# Altium PCB DriverPCB.PcbDoc
Units mm, origin at the board's own origin, x right, y up, seen from the top; angles counter-clockwise.
Board outline 152.4 x 172 mm, 2 copper layers (Top Layer, Bottom Layer); 68 components, 43 nets, 176 pads, 0 vias.
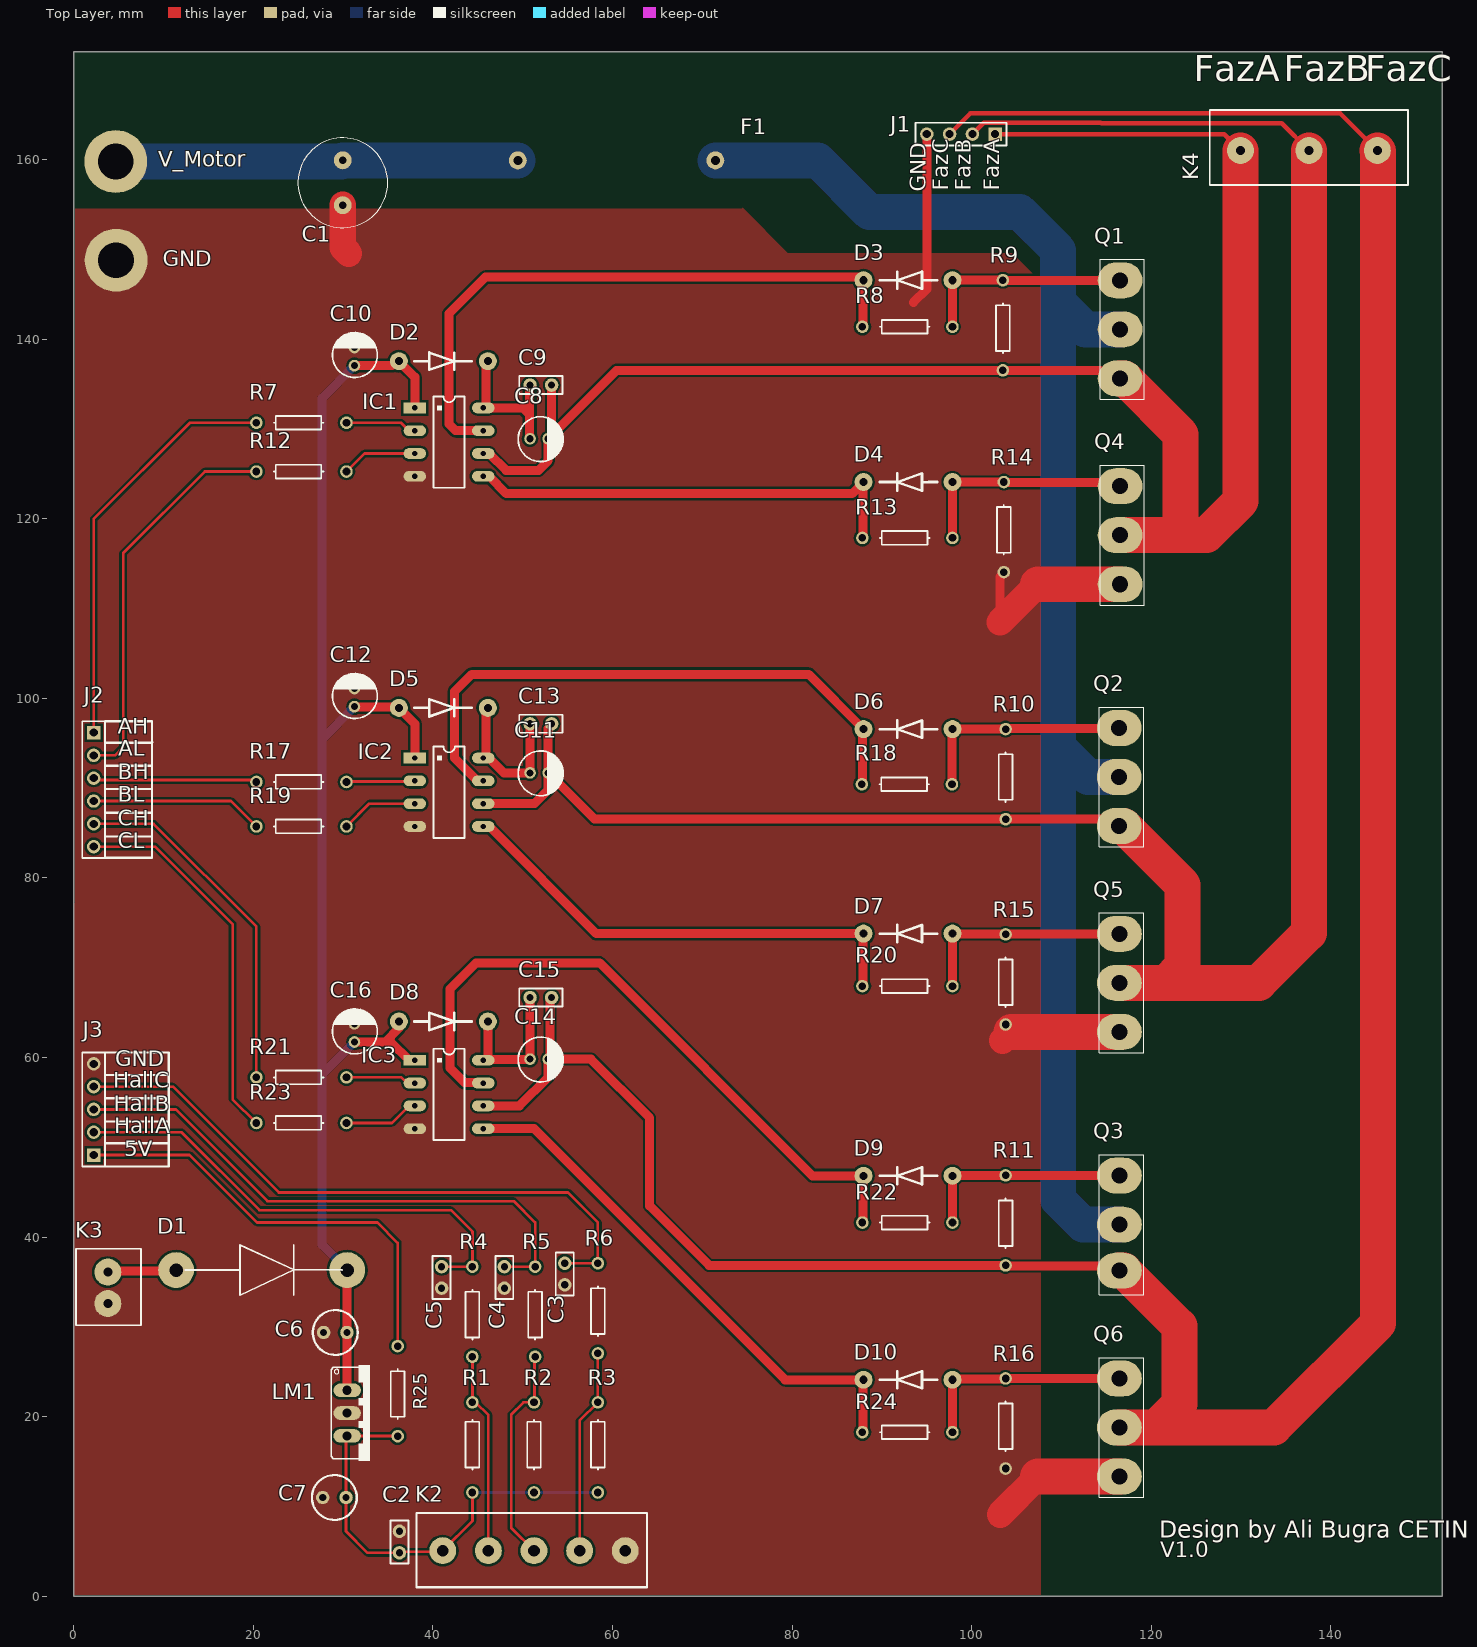
[diagram p0: Top Layer view]
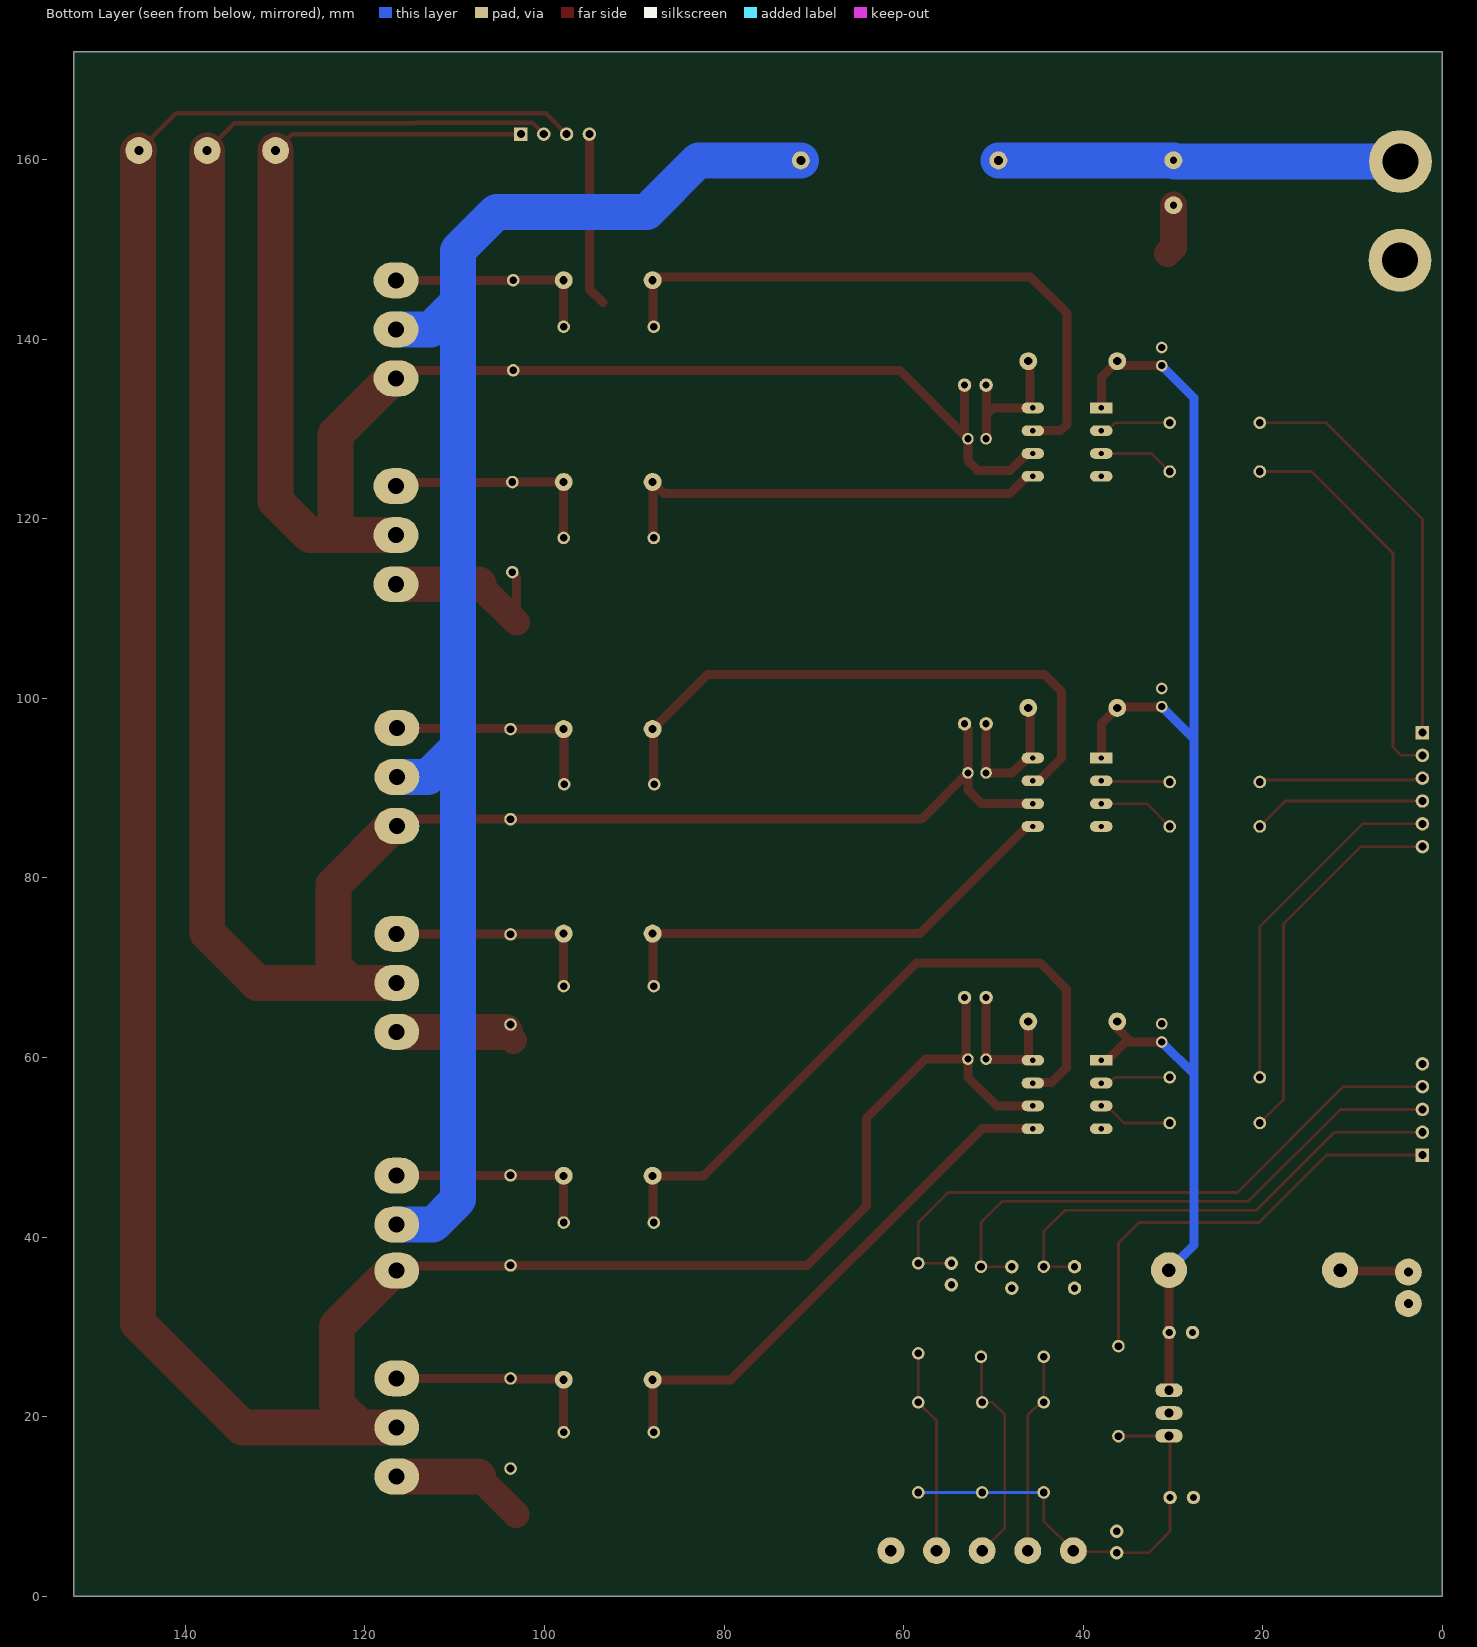
[diagram p1: Bottom Layer view, seen from below]
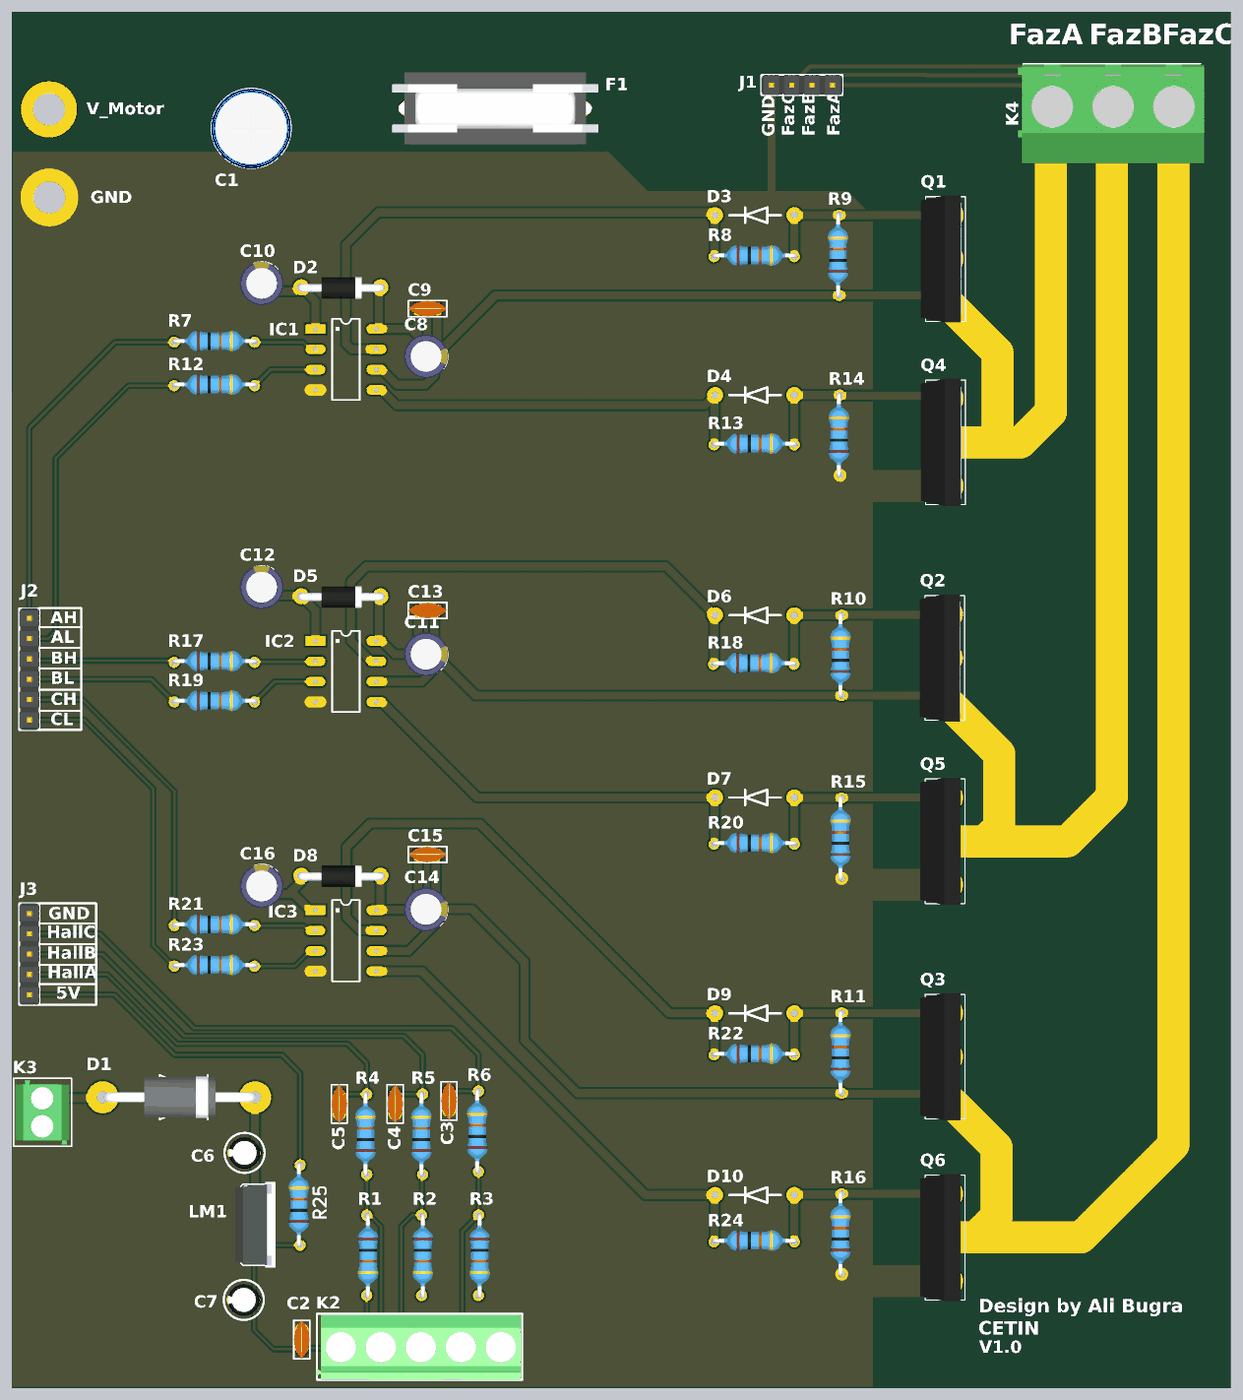
[diagram p2: 3D render of the assembled board from above, using the file's embedded part models]

## Layer stack, top to bottom
Top Solder: solder mask 0.0102, Solder Resist, Dk 3.5
Top Layer: signal copper 0.0356
Dielectric 1: dielectric 0.32, FR-4, Dk 4.8
Bottom Layer: signal copper 0.0356
Bottom Solder: solder mask 0.0102, Solder Resist, Dk 3.5

## Board outline
0.016,0.001 152.416,0.001 152.416,172 0.016,172

## Design rules (kind name [scope] priority, off if disabled: settings)
Clearance [All] p1: gap=0.254 ignorepadtopadclearanceinfootprint=FALSE except(0: Arc-Hole Track-Hole SMDPad-Hole THPad-Hole Via-Hole Fill-Hole Poly-Hole Region-Hole Text-Hole; 0.152: Arc-SMDPad Track-SMDPad; 0.2: Via-Via; 0.5: THPad-THPad)
Height [All] p1: minheight=0 maxheight=100 prefheight=80
HoleSize [All] p1: absolutevalues=TRUE maxlimit=10 minlimit=0.025 maxpercent=80.000 minpercent=20.000
PolygonConnect [All] p1: connectstyle=Direct reliefconductorwidth=0.254 reliefentries=4 polygonreliefangle="90 Angle" airgapwidth=0.254
RoutingVias [All] p1: holewidth=0.711 width=1.27 viastyle="Through Hole" minholewidth=0.711 minwidth=1.27 maxholewidth=0.711 maxwidth=1.27
SolderMaskExpansion [All] p1: expansion=0.102
Width [All] p1: maxlimit=5 minlimit=0.254 preferedwidth=0.3
28 further rules are at their usual default settings.

## Components (designator, comment, footprint, x,y, rotation, side; value= is the part's Value field where it differs from the comment)
C1 "63V 1000uF" "1000uF 10V" 29.95,157.2 r270 top
C2 "1nF" 100nF 36.27,4.84 r90 top
C3 "1nF" 100nF 54.685,37.085 r270 top
C4 "1nF" 100nF 47.954,36.704 r270 top
C5 "1nF" 100nF 40.969,36.704 r270 top
C6 "10uF 25V" "10uF 35V" 29.125,29.375 r180 top
C7 "10uF 25V" "10uF 35V" 29.025,11 r180 top
C8 "100uF 25v" "100uF 25v" 50.816,128.906 r180 top value=33uF
C9 "100nF" 100nF 50.816,134.875 r0 top
C10 "100uF 25v" "100uF 25v" 31.258,137.041 r270 top value=10uF
C11 "100uF 25v" "100uF 25v" 50.816,91.695 r180 top value=33uF
C12 "100uF 25v" "100uF 25v" 31.258,99.068 r270 top value=10uF
C13 "100nF" 100nF 50.816,97.156 r0 top
C14 "100uF 25v" "100uF 25v" 50.816,59.818 r180 top value=33uF
C15 "100nF" 100nF 50.816,66.676 r0 top
C16 "100uF 25v" "100uF 25v" 31.258,61.723 r270 top value=10uF
D1 "1N5408" 1N5408 11.4,36.325 r0 top
D2 "1N4007" 1N4007 36.973,137.542 r0 top
D3 "1N4148" 1N4148 97.855,146.556 r180 top
D4 "1N4148" 1N4148 97.855,124.08 r180 top
D5 "1N4007" 1N4007 36.973,98.934 r0 top
D6 "1N4148" 1N4148 97.855,96.565 r180 top
D7 "1N4148" 1N4148 97.855,73.793 r180 top
D8 "1N4007" 1N4007 36.973,64.009 r0 top
D9 "1N4148" 1N4148 97.855,46.823 r180 top
D10 "1N4148" 1N4148 97.855,24.11 r180 top
F1 "cam_sigorta" cam_sigorta 50.45,159.9 r0 top
IC1 "IR2101" IR2101-DIP 37.989,132.335 r0 top
IC2 "IR2101" IR2101-DIP 37.989,93.346 r0 top
IC3 "IR2101" IR2101-DIP 37.989,59.691 r0 top
J1 "Header 4x1" "HEADER 4X1" 102.615,162.825 r180 top
J2 "Header 6x1" "HEADER 6X1" 2.225,96.18 r270 top
J3 "Header 5x1" "HEADER 5X1" 2.225,49.135 r90 top
K2 "Klemens_5_5mm" KLAMENS_5_5MM 41.096,5.081 r0 top
K3 "12V_Input" KLAMENS_2_3.5MM 3.8,32.6 r90 top
K4 "Klemens_3_7.6mm" KLAMENS_3_7.6MM 129.93,161 r0 top
LM1 "LM7805" LM7805 30.45,22.94 r270 top
Q1 "IRPF460N" IRFP460N#1 116.55,146.54 r270 top
Q2 "IRPF460N" IRFP460N#1 116.45,96.695 r270 top
Q3 "IRPF460N" IRFP460N#2 116.475,46.848 r270 top
Q4 "IRPF460N" IRFP460N#1 116.55,123.62 r270 top
Q5 "IRPF460N" IRFP460N#1 116.475,73.77 r270 top
Q6 "IRPF460N" IRFP460N#1 116.475,24.258 r270 top
R1 "1K" RES_DIP 44.398,21.591 r270 top
R2 "1K" RES_DIP 51.256,21.591 r270 top
R3 "1K" RES_DIP 58.368,21.591 r270 top
R4 "1K" RES_DIP 44.398,26.671 r90 top
R5 "1K" RES_DIP 51.383,26.671 r90 top
R6 "1K" RES_DIP 58.368,27.052 r90 top
R7 "10R" RES_DIP 20.336,130.684 r0 top
R8 "10R" RES_DIP 87.822,141.375 r0 top
R9 "10K" RES_DIP 103.475,136.523 r90 top
R10 "10K" RES_DIP 103.775,86.532 r90 top
R11 "10K" RES_DIP 103.775,36.842 r90 top
R12 "10R" RES_DIP 20.336,125.25 r0 top
R13 "10R" RES_DIP 87.822,117.857 r0 top
R14 "10K" RES_DIP 103.575,114.047 r90 top
R15 "10K" RES_DIP 103.775,63.672 r90 top
R16 "10K" RES_DIP 103.775,14.225 r90 top
R17 "10R" RES_DIP 20.336,90.679 r0 top
R18 "10R" RES_DIP 87.767,90.425 r0 top
R19 "10R" RES_DIP 20.336,85.726 r0 top
R20 "10R" RES_DIP 87.822,67.951 r0 top
R21 "10R" RES_DIP 20.336,57.786 r0 top
R22 "10R" RES_DIP 87.822,41.616 r0 top
R23 "10R" RES_DIP 20.336,52.706 r0 top
R24 "10R" RES_DIP 87.822,18.268 r0 top
R25 "RES_DIP" RES_DIP 36.075,17.825 r90 top

## Footprints (in the part's own frame and the unit in brackets; to place one, negate y for a bottom-side part, rotate by r counter-clockwise, add the part's x,y. Pads: shape width x height; smd on the part's side, far side on the other; paste and mask are expansions set on the pad)
1N4007 [mm]
  round 2 hole 0.9: 1(-0.762,0) 2(9.144,0)
  silkscreen extent 0.95,-0.96 7.35,0.96, body extent -1.32,-1.43 9.7,1.27, height 2.78
1N4148 [mm]
  round 2 hole 0.9: 1(0,0) 2(9.906,0)
  silkscreen extent 1.71,-0.96 8.11,0.96, body extent -0.48,-0.73 10.14,0.98, height 2.35
1N5408 [mm]
  round 4 hole 1.5: 1(0,0) 2(19.05,0)
  silkscreen extent 1.01,-2.8 18.47,2.8, body extent 0.14,-2.57 19.16,2.57, height 5.17
"10uF 35V" [mm]
  round 1.5 hole 0.8: +(-1.3,0) -(1.3,0)
  silkscreen extent -2.5,-2.5 2.5,2.5, body extent -2,-2 1.99,2, height 13
100nF [mm]
  round 1.5 hole 0.8: 1(0,0) 2(2.4,0)
  silkscreen extent -1.2,-1 3.6,1, body extent -1.26,-1 3.66,1, height 5.46
"100uF 25v" [mm]
  round 1.3 hole 0.8: 1(0,0) 2(-2.025,0)
  silkscreen extent -3.68,-2.45 1.32,2.55, body extent -3.73,-2.74 1.75,2.74, height 3.5
"1000uF 10V" [mm]
  round 2 hole 0.8: NEG(2.292,0.009) POS(-2.708,0.009)
  Top Layer region: 2.813,0.198 2.526,0.511 2.103,0.53 1.79,0.243 1.771,-0.18 2.058,-0.493 2.481,-0.512 2.794,-0.225
  Bottom Layer region: 2.813,0.198 2.526,0.511 2.103,0.53 1.79,0.243 1.771,-0.18 2.058,-0.493 2.481,-0.512 2.794,-0.225
  Multi-Layer region: 2.813,0.198 2.526,0.511 2.103,0.53 1.79,0.243 1.771,-0.18 2.058,-0.493 2.481,-0.512 2.794,-0.225
  silkscreen extent -5.21,-4.99 4.79,5.01, body extent -5.23,-5.03 4.83,5.03, height 16.53
cam_sigorta [mm]
  round 2 hole 1: 1(-1,0) 2(21,0)
  body extent -2.9,-4.5 22.9,4.5, height 11.9
"HEADER 4X1" [mm]
  rect 1.5x1.5 hole 0.9: 1(0,0)
  round 1.5 hole 0.9: 2(2.54,0) 3(5.08,0) 4(7.62,0)
  silkscreen extent -1.27,-1.27 8.89,1.27, body extent -1.27,-1.27 8.89,1.27, height 9.5
"HEADER 5X1" [mm]
  rect 1.5x1.5 hole 0.9: 1(0,0)
  round 1.5 hole 0.9: 2(2.54,0) 3(5.08,0) 4(7.62,0) 5(10.16,0)
  silkscreen extent -1.27,-1.27 11.43,1.27, body extent -1.27,-1.27 11.43,1.27, height 9.5
"HEADER 6X1" [mm]
  rect 1.5x1.5 hole 0.9: 1(0,0)
  round 1.5 hole 0.9: 2(2.54,0) 3(5.08,0) 4(7.62,0) 5(10.16,0) 6(12.7,0)
  silkscreen extent -1.27,-1.27 13.97,1.27, body extent -1.27,-1.27 13.97,1.27, height 9.5
IR2101-DIP [mm]
  rect 2.5x1.2 hole 0.6: 1(0,0)
  oval 2.5x1.2 hole 0.6: 2(0,-2.54) 3(0,-5.08) 4(0,-7.62) 5(7.62,-7.62) 6(7.62,-5.08) 7(7.62,-2.54) 8(7.62,0)
  silkscreen extent 2.08,-8.89 5.54,1.27, body extent -1.47,-8.75 8.97,1.01, height 5.5
IRFP460N#1 [mm]
  oval 4x5 hole 1.79: 1(0,-0.025) 2(5.46,-0.025) 3(10.92,-0.025)
  silkscreen extent -2.33,-2.26 13.25,2.68, body extent -2.49,-2.92 13.41,2.18, height 25.95
IRFP460N#2 [mm]
  oval 4x5 hole 1.79: 1(0,-0.025) 2(5.46,-0.025) 3(10.59,-0.025)
  silkscreen extent -2.33,-2.26 13.25,2.68, body extent -2.49,-2.92 13.41,2.18, height 25.95
KLAMENS_2_3.5MM [mm]
  round 3 hole 1: 1(3.5,0) 2(0,0)
  silkscreen extent -2.41,-3.68 6.1,3.56, body extent -2.16,-3.43 5.84,3.37, height 8.4
KLAMENS_3_7.6MM [mm]
  round 3 hole 1: 1(0,0) 2(7.62,0) 3(15.24,0)
  silkscreen extent -3.43,-3.85 18.67,4.5, body extent -4.12,-8 19.18,4.4, height 22.5
KLAMENS_5_5MM [mm]
  round 3 hole 1.3: 1(0,0) 2(5.08,0) 3(10.16,0) 4(15.24,0) 5(20.32,0)
  silkscreen extent -2.92,-4.06 22.73,4.19, body extent -3.01,-4.06 22.56,4.09, height 10
LM7805 [mil]
  oval 60x120 hole 40: GND(100,0) IN(0,0) OUT(200,0)
  silkscreen extent -110,-70 310,100, body extent -101,-97 301,80, height 770
RES_DIP [mm]
  round 1.4 hole 0.85: 1(0,0) 2(10.033,0)
  silkscreen extent 1.93,-0.76 7.47,0.76, body extent -0.27,-1.14 10.43,1.45, height 2.69

## Part data
C1: library part "1000uF 10V"
C2 C3 C4 C5: library part 100nF
C6 C7: library part "10uF 35V"
C8 C11 C14: Manufacturer=Panasonic, Manufacturer Code=EEEHA1C01WP, Voltage=16V, Farnell Code=1973308, Unit Price="0.47 €"
C10 C12 C16: Manufacturer=Panasonic, Manufacturer Code=EEEHA1C01WP, Voltage=35V, Farnell Code=1973308, Unit Price="0.47 €"
K3: library part Klamens_2_3.5mm
R1 R2 R3 R4 R5 R6 R7 R8 R9 R10 R11 R12 R13 R14 R15 R16 R17 R18 R19 R20 R21 R22 R23 R24: library part RES_DIP
F1: =cam_sigorta

## Free pads (board coordinates)
  round 7 hole 4: 5(4.675,159.775) 5(4.725,148.775)

## Nets (pads, with @x,y where several pads share a name; then routed paths per layer and width w, separated by ;. In a path a pad name is that pad's centre, name@x,y a point inside that pad or via, vN(x,y) a via of type N, cw(c..) or ccw(c..) an arc to the next point about the centre after c; other vN are vias at no path point)
+5: C2.1 C7.+ K2.1 LM1.OUT R1.2 R2.2 R3.2 R25.1 | length 50
  Top Layer w0.3: R25.1 36.057,17.843 30.467,17.843 LM1.OUT 30.325,17.735 C7.+ 30.325,7.24 32.725,4.84 C2.1 36.391,4.961 40.976,4.961 K2.1 44.398,8.383 R1.2
  Bottom Layer w0.3: R1.2 R2.2 R3.2
+12: C6.+ C10.1 C12.1 C16.1 D1.2 D2.1 D5.1 D8.1 IC1.1 IC2.1 IC3.1 LM1.IN | length 159.9
  Top Layer w1: LM1.IN 30.438,22.952 30.438,29.362 C6.+ 30.438,29.388 30.438,36.313 D1.2 ; C16.1 34.673,61.723 ; C12.1 31.315,99.011 36.134,99.011 D5.1 37.989,97.156 IC2.1 ; C10.1 35.439,137.041 35.94,137.542 D2.1 37.989,135.764 IC1.1 ; D8.1 36.211,63.261 34.673,61.723 ; IC3.1 37.339,59.691 35.307,61.723 34.673,61.723
  Bottom Layer w1: D1.2 27.65,39.125 27.65,58.115 ; C16.1 27.65,58.115 ; C12.1 27.65,95.46 ; C10.1 27.65,133.433 27.65,95.46 ; 27.65,58.115 27.65,95.46
+VDC: F1.2 Q1.2 Q2.2 Q3.2 | length 172.3
  Bottom Layer w4: F1.2 82.85,159.9 88.6,154.15 105.35,154.15 109.625,149.875 109.625,144.1 ; Q2.2 112.94,91.235 109.625,94.55 ; Q3.2 112.405,41.388 109.625,44.168 109.625,94.55 ; Q1.2 112.645,141.08 109.625,144.1 ; 109.625,94.55 109.625,144.1
Faz_AH: D3.1 Q1.1 R8.2 R9.2 | length 23.9
  Top Layer w1: R8.2 D3.1 R9.2 103.483,146.548 116.517,146.548 Q1.1
Faz_AL: D4.1 Q4.1 R13.2 R14.2 | length 25.1
  Top Layer w1: R13.2 D4.1 R14.2 103.652,124.003 116.142,124.003 Q4.1
Faz_BH: D6.1 Q2.1 R10.2 R18.2 | length 24.8
  Top Layer w1: R18.2 97.828,90.453 97.828,96.538 D6.1 R10.2 103.84,96.63 116.36,96.63 Q2.1
Faz_BL: D7.1 Q5.1 R15.2 R20.2 | length 24.5
  Top Layer w1: R20.2 D7.1 97.899,73.749 103.731,73.749 R15.2 103.84,73.77 Q5.1
Faz_CH: D9.1 Q3.1 R11.2 R22.2 | length 23.8
  Top Layer w1: R22.2 D9.1 97.881,46.849 103.749,46.849 R11.2 103.788,46.861 116.437,46.861 Q3.1
Faz_CL: D10.1 Q6.1 R16.2 R24.2 | length 24.5
  Top Layer w1: R24.2 D10.1 97.929,24.184 103.701,24.184 R16.2 Q6.1
FazA: C8.2 C9.2 IC1.6 J1.1 K4.1 Q1.3 Q4.2 R9.1 | length 186.3
  Top Layer w0.5: J1.1 128.105,162.825 K4.1
  Top Layer w1: IC1.6 46.259,127.255 48.139,125.375 51.764,125.375 52.841,126.452 C8.2 60.458,136.523 R9.1 114.31,136.523 115.213,135.62 Q1.3 ; C8.2@53.216,129.362 C9.2
  Top Layer w4: Q4.2 123.25,118.16 ; Q1.3 117.025,135.62 123.25,129.395 123.25,118.16 ; K4.1 129.93,121.955 126.135,118.16 123.25,118.16
FazB: C11.2 C13.2 IC2.6 J1.2 K4.2 Q2.3 Q5.2 R10.1 | length 252.6
  Top Layer w0.5: J1.2 101.329,164.079 114.396,164.079 114.45,164.025 134.525,164.025 K4.2
  Top Layer w1: IC2.6 51.307,88.266 52.841,89.8 C11.2 ; C13.2 53.216,97.021 52.841,96.646 C11.2 ; Q2.3 115.113,85.775 114.356,86.532 R10.1 58.004,86.532 C11.2
  Top Layer w4: Q2.3 116.925,85.775 123.475,79.225 123.475,70.135 121.65,68.31 ; Q5.2 121.65,68.31 ; K4.2 137.55,73.875 131.985,68.31 121.65,68.31
FazC: C14.2 C15.2 IC3.6 J1.3 K4.3 Q3.3 Q6.2 R11.1 | length 332.8
  Top Layer w0.3: C14.2 C14.2@53.029,60.006 ; C15.2@53.029,66.489 C15.2
  Top Layer w0.5: J1.3 99.86,165.15 141.02,165.15 K4.3
  Top Layer w1: IC3.6 49.636,54.611 52.841,57.816 C14.2 57.582,59.818 64.125,53.275 64.125,43.475 70.758,36.842 R11.1 103.852,36.765 115.943,36.765 Q3.3 ; C14.2@53.029,60.006 C15.2@53.029,66.489
  Top Layer w4: Q6.2 120.53,18.798 ; Q3.3 116.95,36.258 123.125,30.083 123.125,21.393 120.53,18.798 ; K4.3 145.25,160.92 145.25,30.4 133.648,18.798 120.53,18.798
GND: C1.NEG C2.2 C3.2 C4.2 C5.2 C6.- C7.- C10.2 C12.2 C16.2 IC1.4 IC2.4 IC3.4 J1.4 J3.5 K2.5 K3.2 LM1.GND pad.5@4.725,148.775 Q4.3 Q5.3 Q6.3 R14.1 R15.1 R16.1 | length 74.3
  Top Layer w1: 93.5,144.075 94.995,145.57 J1.4 ; 103.125,108.464 103.125,113.489 103.575,113.939 R14.1
  Top Layer w3: C1.NEG 29.959,150.216 30.625,149.55 ; 103.125,108.464 107.361,112.7 ; 103.175,9.125 107.388,13.338 ; 103.45,61.9 104.4,62.85
  Top Layer w4: 104.4,62.85 Q5.3 ; 107.361,112.7 Q4.3 ; 107.388,13.338 Q6.3
NetC8_1: C8.1 C9.1 D2.2 IC1.8 | length 16.8
  Top Layer w1: IC1.8 IC1.8@45.833,132.335 ; D2.2 45.926,137.351 45.926,132.427 IC1.8@45.833,132.335 ; C8.1 50.775,128.947 50.775,131.55 ; C9.1 50.775,134.834 50.775,131.55 ; IC1.8@45.833,132.335 49.99,132.335 50.775,131.55
NetC11_1: C11.1 C13.1 D5.2 IC2.8 | length 17.1
  Top Layer w1: IC2.8 IC2.8@45.833,93.346 ; D5.2 45.926,98.743 45.926,93.438 IC2.8@45.833,93.346 ; C13.1 C11.1 47.91,91.695 46.259,93.346 IC2.8@45.833,93.346
NetC14_1: C14.1 C15.1 D8.2 IC3.8 | length 16.5
  Top Layer w1: IC3.8 45.673,59.755 IC3.8@45.761,59.755 ; D8.2 46.113,64.005 46.113,60.107 IC3.8@45.761,59.755 ; C15.1 C14.1 50.753,59.755 IC3.8@45.761,59.755
NetD1_1: D1.1 K3.1 | length 7.7
  Top Layer w1: K3.1 3.913,36.213 11.288,36.213 D1.1
NetD3_2: D3.2 IC1.7 R8.1 | length 69.6
  Top Layer w1: IC1.7 42.53,129.795 41.8,130.525 41.8,142.85 45.85,146.9 87.478,146.9 D3.2@87.886,146.492 ; R8.1 87.886,141.439 D3.2@87.886,146.492 ; D3.2 D3.2@87.886,146.492
NetD4_2: D4.2 IC1.5 R13.1 | length 49.8
  Top Layer w1: IC1.5 46.259,124.715 48.174,122.8 86.669,122.8 D4.2@87.886,124.017 ; R13.1 87.886,117.921 D4.2@87.886,124.017 ; D4.2 D4.2@87.886,124.017
NetD6_2: D6.2 IC2.7 R18.1 | length 66.7
  Top Layer w1: IC2.7 44.959,90.806 42.425,93.34 42.425,100.775 44.325,102.675 81.839,102.675 D6.2 87.844,96.46 87.844,90.502 R18.1
NetD7_2: D7.2 IC2.5 R20.1 | length 53.2
  Top Layer w1: IC2.5 46.259,85.726 58.192,73.793 D7.2 87.886,73.73 87.886,68.015 R20.1
NetD9_2: D9.2 IC3.7 R22.1 | length 75.6
  Top Layer w1: IC3.7 45.571,57.189 43.536,57.189 41.875,58.85 41.875,67.6 44.8,70.525 58.55,70.525 82.252,46.823 D9.2 87.886,46.76 87.886,41.68 R22.1
NetD10_2: D10.2 IC3.5 R24.1 | length 59.8
  Top Layer w1: IC3.5 51.264,52.071 79.225,24.11 D10.2 87.886,24.047 87.886,18.332 R24.1
NetIC1_2: IC1.2 R7.2 | length 8
  Top Layer w0.3: R7.2 36.45,130.684 37.339,129.795 IC1.2
NetIC1_3: IC1.3 R12.2 | length 8.5
  Top Layer w0.3: R12.2 32.374,127.255 IC1.3
NetIC2_2: IC2.2 R17.2 | length 7.7
  Top Layer w0.3: R17.2 30.433,90.743 37.926,90.743 IC2.2
NetIC2_3: IC2.3 R19.2 | length 8.7
  Top Layer w0.3: R19.2 32.909,88.266 IC2.3
NetIC3_2: IC3.2 R21.2 | length 7.9
  Top Layer w0.3: R21.2 36.489,57.786 37.124,57.151 IC3.2
NetIC3_3: IC3.3 R23.2 | length 8.4
  Top Layer w0.3: R23.2 35.434,52.706 37.339,54.611 IC3.3
NetJ3_1: J3.1 R25.2 | length 49.4
  Top Layer w0.3: J3.1 12.89,49.135 20.408,41.617 33.808,41.617 36.075,39.35 R25.2
NetK2_2: K2.2 R1.1 R4.1 | length 22.5
  Top Layer w0.3: R4.1 R1.1 44.759,21.591 46.176,20.174 K2.2
NetK2_3: K2.3 R2.1 R5.1 | length 24.4
  Top Layer w0.3: K2.3 48.725,7.612 48.725,20.225 50.091,21.591 R2.1 51.32,21.655 51.32,26.608 R5.1
NetK2_4: K2.4 R3.1 R6.1 | length 22.8
  Top Layer w0.3: K2.4 56.336,19.559 R3.1 R6.1
pin_AH: J2.1 R7.1 | length 46.3
  Top Layer w0.3: J2.1 2.225,119.95 12.959,130.684 R7.1
pin_AL: J2.2 R12.1 | length 43.9
  Top Layer w0.3: J2.2 4.59,93.64 5.5,94.55 5.5,116.15 14.6,125.25 R12.1
pin_BH: J2.3 R17.1 | length 18.3
  Top Layer w0.3: J2.3 2.436,90.889 20.126,90.889 R17.1
pin_BL: J2.4 R19.1 | length 19.3
  Top Layer w0.3: J2.4 17.502,88.56 R19.1
pin_CH: J2.5 R21.1 | length 39.6
  Top Layer w0.3: J2.5 8.905,86.02 20.336,74.589 R21.1
pin_CL: J2.6 R23.1 | length 42.3
  Top Layer w0.3: J2.6 9.07,83.48 17.7,74.85 17.7,55.342 R23.1
pin_HallA: C5.1 J3.2 R4.2 | length 54.1
  Top Layer w0.3: J3.2 12,51.675 20.675,43 42,43 44.398,40.602 R4.2 C5.1
pin_HallB: C4.1 J3.3 R5.2 | length 62.7
  Top Layer w0.3: J3.3 11.371,54.215 21.586,44 49,44 51.383,41.617 R5.2 C4.1
pin_HallC: C3.1 J3.4 R6.2 | length 70.6
  Top Layer w0.3: J3.4 11.045,56.755 22.839,44.961 55.039,44.961 58.368,41.632 R6.2 C3.1
V_Motor: C1.POS F1.1 pad.5@4.675,159.775 | length 44.8
  Bottom Layer w4: pad.5@4.675,159.775 29.826,159.775 C1.POS 49.442,159.908 F1.1

## Polygon pours and split planes (outlines as drawn)
GND on Top Layer (solid, remove dead copper, pour order 6): 0.15,154.5 74.4,154.5 74.5,154.6 79.525,149.575 104.5,149.575 107.7,146.375 107.7,0.15 0.15,0.15 0.05,0.05 0,0

## Silkscreen, mask and mechanical layers (free items; w line width, h text height)
Top Overlay:
  lines w0.254: 3.495,47.865 10.575,47.865 10.575,60.525 10.535,60.565 8.715,60.565 3.495,60.565 ; 3.495,50.45 10.575,50.45 ; 3.495,52.875 10.535,52.875 ; 3.495,55.475 10.575,55.475 ; 3.495,82.21 3.53,82.245 8.725,82.245 8.725,86.175 8.725,96.675 ; 3.495,87.25 8.7,87.25 ; 3.495,89.9 8.675,89.9 8.725,89.95 ; 3.495,92.475 8.625,92.475 8.725,92.575 ; 3.495,97.45 8.725,97.45 8.725,96.675 ; 3.525,58.05 10.575,58.05 ; 3.525,95.05 8.725,95.05 8.775,95.1 ; 3.53,84.6 8.725,84.6 ; 8.725,96.675 8.725,96.675
  text "FazB" at 134.725,167.732 h5
  text "FazA" at 124.7,167.725 h5
  text "FazC" at 143.8,167.711 h5
  text "V_Motor" at 9.4,158.6 h3
  text "FazA" at 103.675,156.525 h3 r90
  text "FazC" at 98,156.5 h3 r90
  text "FazB" at 100.5,156.5 h3 r90
  text "GND" at 95.5,156.425 h3 r90
  text "GND" at 9.9,147.525 h3
  text "AH" at 4.9,95.425 h3
  text "AL" at 4.95,93 h3
  text "BH" at 4.925,90.375 h3
  text "BL" at 4.925,87.875 h3
  text "CH" at 4.925,85.2 h3
  text "CL" at 4.9,82.7 h3
  text "GND" at 4.625,58.425 h3
  text "HallC" at 4.425,56 h3
  text "HallB" at 4.45,53.4 h3
  text "HallA" at 4.525,50.975 h3
  text "5V" at 5.6,48.4 h3
  text "Design by Ali Bugra CETIN" at 120.9,5.85 h3.3
  text "V1.0" at 121,3.725 h3
Top Solder:
  lines w4: 116.425,85.775 116.925,85.775 123.475,79.225 123.475,70.135 121.65,68.31 ; 116.45,18.798 120.53,18.798 ; 116.45,36.258 116.95,36.258 123.125,30.083 123.125,21.393 120.53,18.798 ; 116.45,68.31 121.65,68.31 ; 116.525,118.16 123.25,118.16 ; 116.525,135.62 117.025,135.62 123.25,129.395 123.25,118.16 ; 129.93,161 129.93,121.955 126.135,118.16 123.25,118.16 ; 137.55,161 137.55,73.875 131.985,68.31 121.65,68.31 ; 145.25,160.92 145.25,30.4 133.648,18.798 120.53,18.798
Bottom Solder:
  lines w4: 71.45,159.9 82.85,159.9 88.6,154.15 105.35,154.15 109.625,149.875 109.625,144.1 ; 116.425,91.235 112.94,91.235 109.625,94.55 ; 116.45,41.388 112.405,41.388 109.625,44.168 109.625,94.55 ; 116.525,141.08 112.645,141.08 109.625,144.1 ; 109.625,94.55 109.625,144.1

## Text inside footprints (layer, text, board x,y; h text height)
LM1: Mechanical 13 "-" at 29.178,21.035 h3 r270; Mechanical 13 "I" at 29.175,23.579 h3 r270; Mechanical 13 "O" at 29.177,18.494 h3 r270